# Altium PCB PCB_proto.PcbDoc
Units mil, origin at the board's own origin, x right, y up, seen from the top; angles counter-clockwise.
Board outline 5515 x 5495 mil, 2 copper layers (Top Layer, Bottom Layer); 42 components, 24 nets, 185 pads, 6 vias.
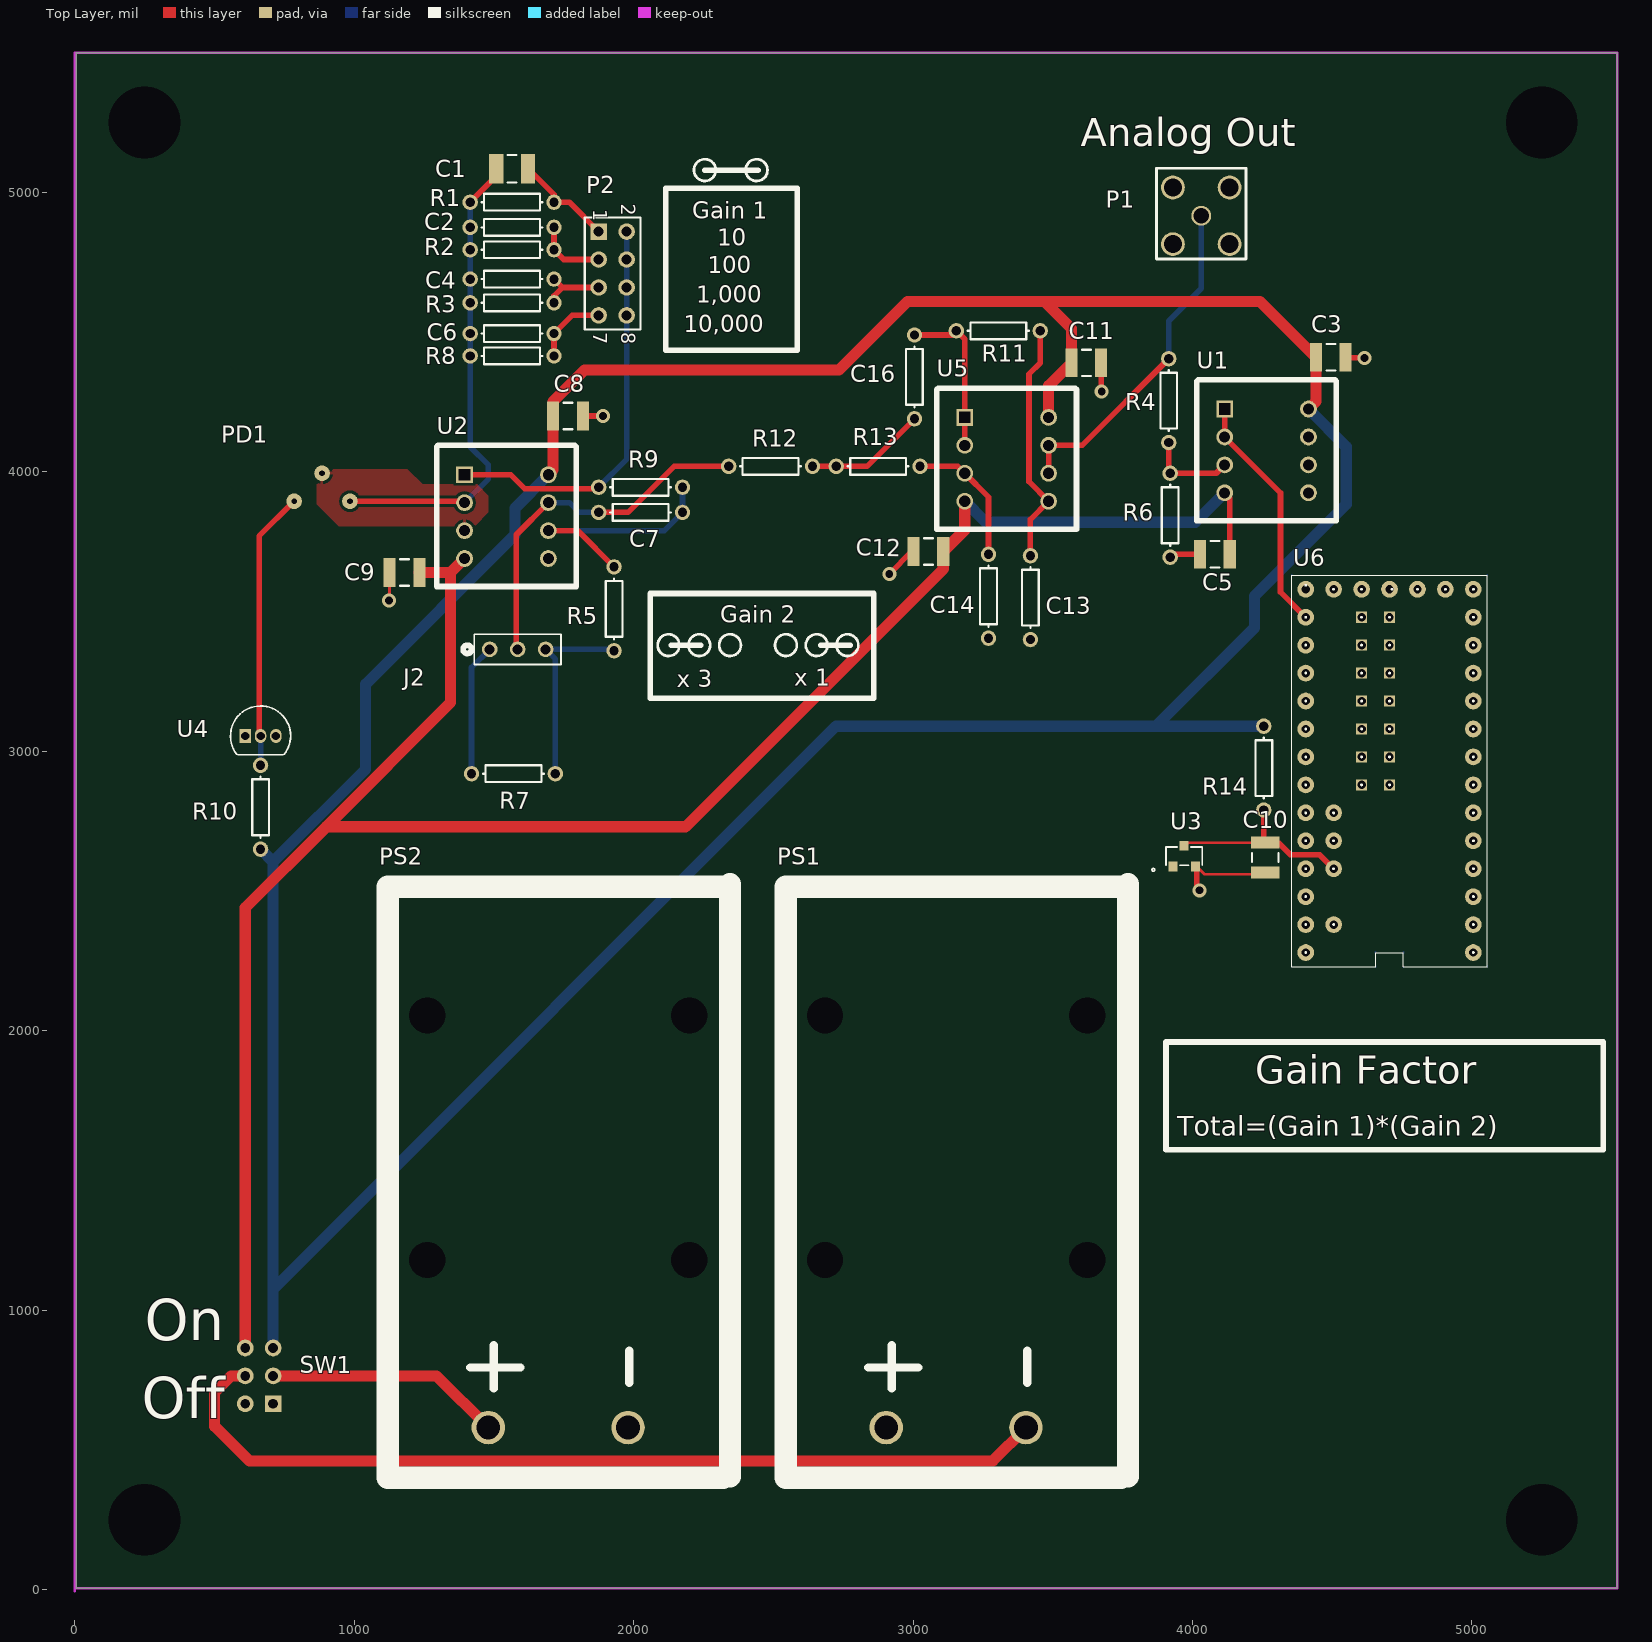
[diagram p0: Top Layer view]
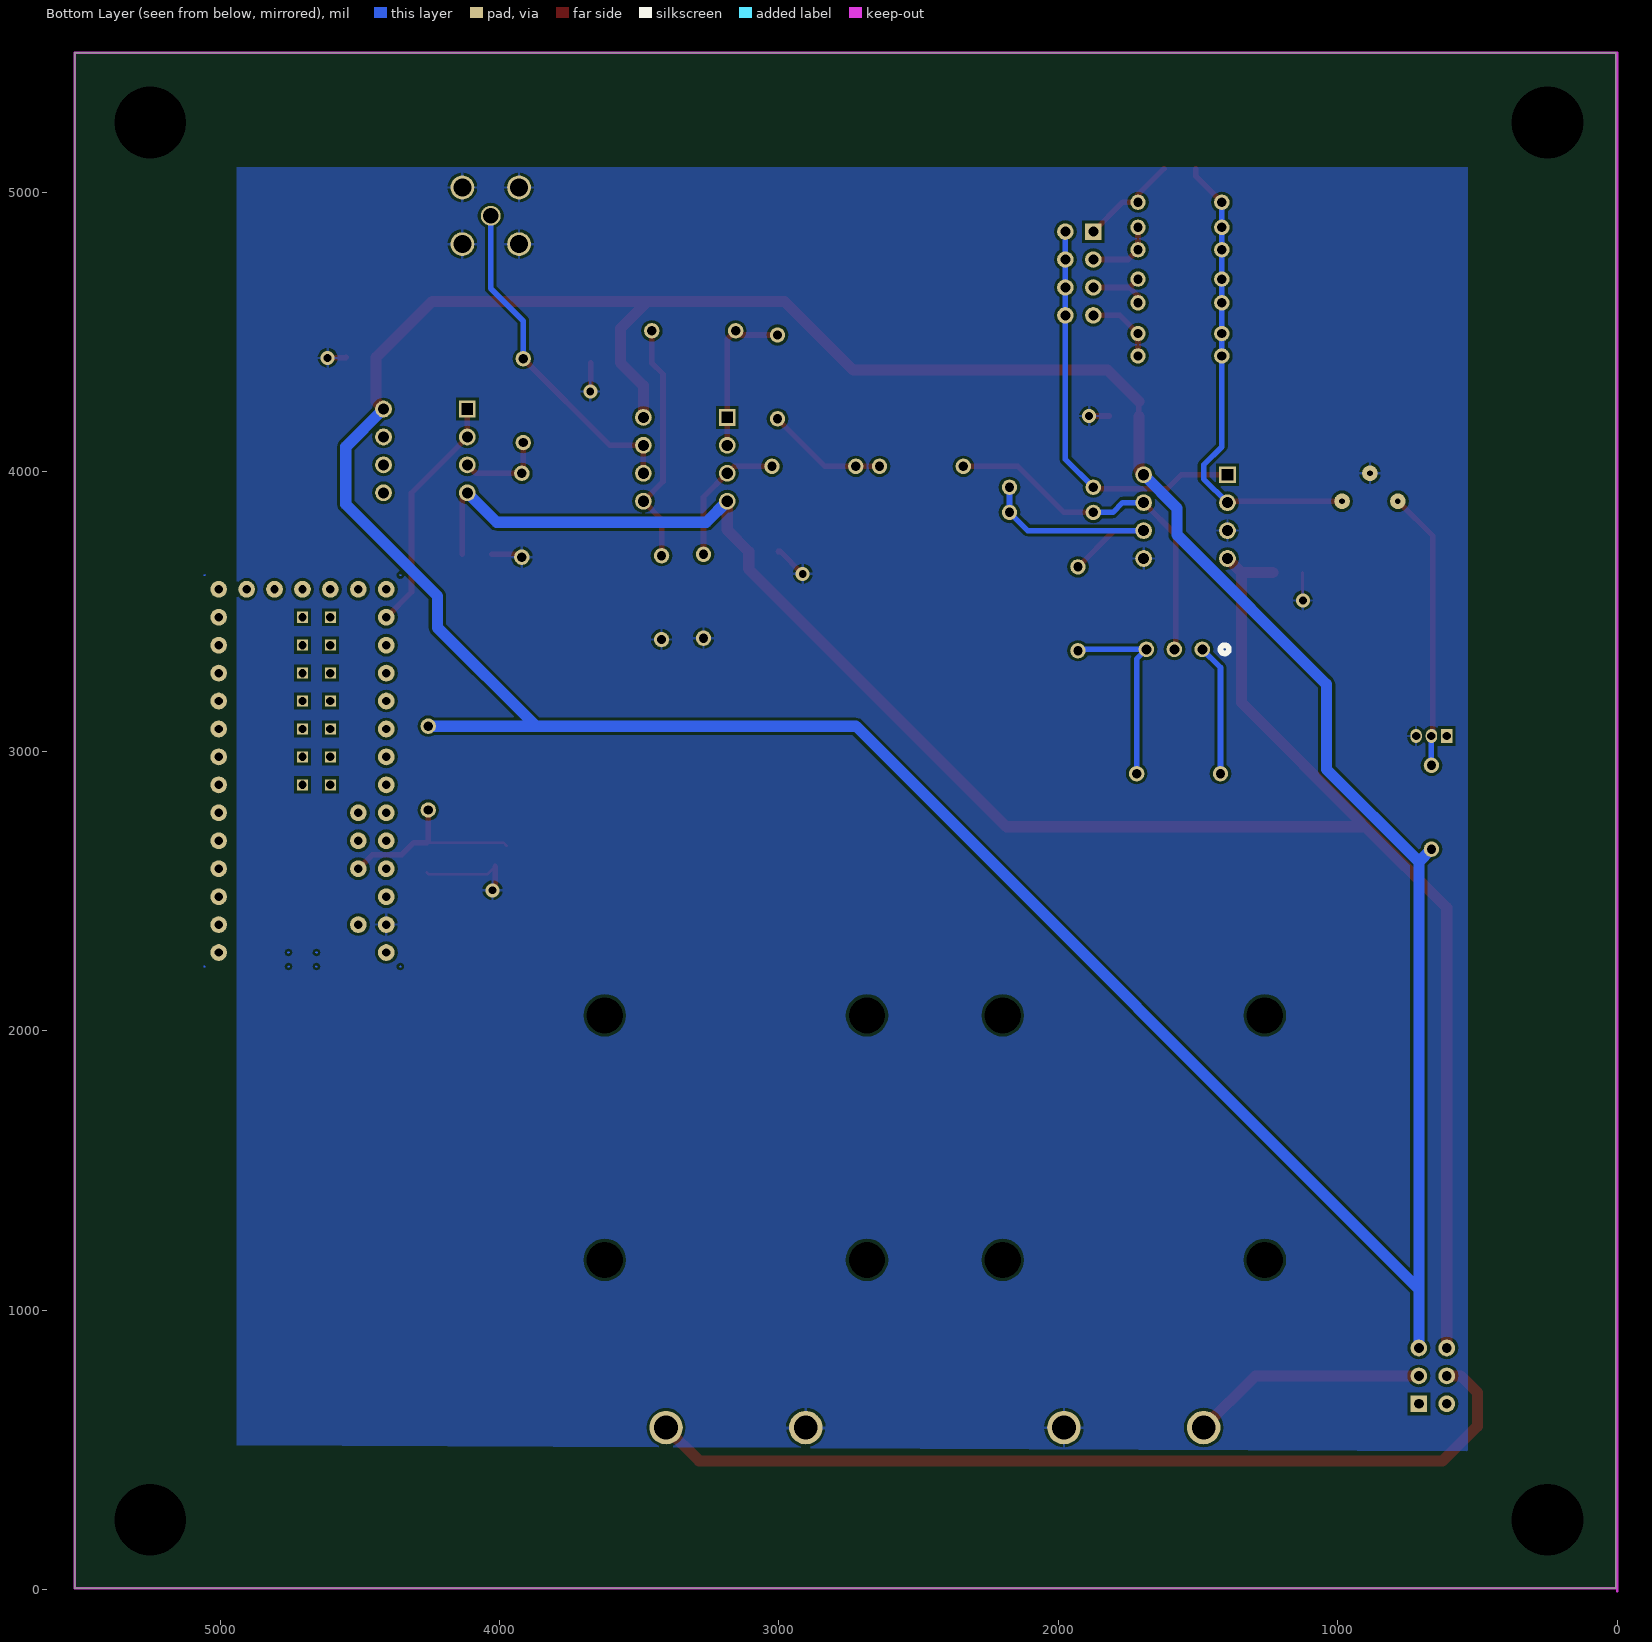
[diagram p1: Bottom Layer view, seen from below]

## Layer stack, top to bottom
Top Solder: solder mask 0.4, Solder Resist, Dk 3.5
Top Layer: signal copper 1.4
Dielectric 1: dielectric 12.6, FR-4, Dk 4.8
Bottom Layer: signal copper 1.4
Bottom Solder: solder mask 0.4, Solder Resist, Dk 3.5

## Board outline
5,5 5520,5 5520,5500 5,5500

## Design rules (kind name [scope] priority, off if disabled: settings)
Clearance [All] p1: gap=10 ignorepadtopadclearanceinfootprint=FALSE except(0: Arc-Hole Track-Hole SMDPad-Hole THPad-Hole Via-Hole Fill-Hole Poly-Hole Region-Hole Text-Hole)
PolygonConnect [All] p1: connectstyle=Relief reliefconductorwidth=10 reliefentries=4 polygonreliefangle="90 Angle" airgapwidth=10
RoutingVias [All] p1: holewidth=28 width=50 viastyle="Through Hole" minholewidth=28 minwidth=50 maxholewidth=28 maxwidth=50
SolderMaskExpansion [All] p1: expansion=4
Width [All] p1: maxlimit=40 minlimit=10 preferedwidth=20 minimp=50.000000 maximp=50.000000 favimp=50.000000
30 further rules are at their usual default settings.

## Classes and differential pairs
component class Schematic2: U6

## Components (designator, comment, footprint, x,y, rotation, side; value= is the part's Value field where it differs from the comment)
C1 "CC0402ZRY5V7BB104" C1210_N 1565,5085 r0 top value=Value
C2 "CC0402KRX7R9BB102" AXIAL-0.3 1565,4875 r0 top value=Value
C3 "C322C104M5U5TA7301" C1210_L 4495,4410 r0 top value=Value
C4 "CC0201JRNPO9BN100" AXIAL-0.3 1565,4690 r0 top value=Value
C5 "C322C104M5U5TA7301" C1210_L 4080,3705 r180 top value=Value
C6 "04025A5R0CAT2A" AXIAL-0.3 1565,4495 r0 top value=Value
C7 "CC0402CRNPO9BN2R2" AXIAL-0.3 2025,3855 r0 top value=Value
C8 "C322C104M5U5TA7301" C1210_L 1765,4200 r0 top value=Value
C9 "C322C104M5U5TA7301" C1210_L 1180,3640 r180 top value=Value
C10 "C322C104M5U5TA7301" C1210_L 4260,2620 r270 top value=Value
C11 "C322C104M5U5TA7301" C1210_L 3620,4390 r180 top value=Value
C12 "C322C104M5U5TA7301" C1210_L 3055,3715 r180 top value=Value
C13 "CC0402KRX7R9BB102" AXIAL-0.3 3420,3550 r270 top value=Value
C14 "CC0402ZRY5V7BB104" AXIAL-0.3 3270,3555 r270 top value=Value
C16 "CC0402KRX7R9BB102" AXIAL-0.3 3005,4340 r90 top value=Value
J2 "22-28-4033" 22-28-4033 1685,3365 r0 top value=Value
P1 "Signal" "SMA Out Connector" 4031.4,4916.4 r0 top
P2 "Header 4X2" HDR2X4 1875,4860 r270 top
PD1 "InGaAs-120L-FC" FCI-InGaAs-120L-FC 1200,4050 r180 top
PS1 "VCC - Battery" "9V Battery Clip" 3404,580 r90 top
PS2 "VCC+ Battery" "9V Battery Clip" 1980,580 r90 top
R1 "RC0603FR-0710RL" AXIAL-0.3 1565,4965 r180 top value=Value
R2 "RC0402FR-07100RL" AXIAL-0.3 1565,4795 r180 top value=Value
R3 "RC0402FR-071KL" AXIAL-0.3 1565,4605 r180 top value=Value
R4 "Part Number: RNCF0603BKE172K" AXIAL-0.3 3915,4255 r270 top value=Value
R5 "RC0402FR-071KL" AXIAL-0.3 1930,3510 r270 top value=Value
R6 "RC0402FR-07100KL" AXIAL-0.3 3920,3845 r270 top value=Value
R7 "RG2012N-202-W-T1" AXIAL-0.3 1570,2920 r0 top value=Value
R8 "RC0402FR-0710KL" AXIAL-0.3 1565,4415 r180 top value=Value
R9 "RC0402FR-071KL" AXIAL-0.3 2025,3945 r180 top value=Value
R10 "RC0402FR-07100KL" AXIAL-0.3 665,2800 r270 top value=Value
R11 "RC0402FR-071KL" AXIAL-0.3 3305,4505 r180 top value=Value
R12 "RT0603BRD071K4L" AXIAL-0.3 2490,4020 r180 top value=Value
R13 "RT0603BRD074K99L" AXIAL-0.3 2875,4020 r180 top value=Value
R14 "RC0402FR-07100KL" AXIAL-0.3 4255,2940 r90 top value=Value
SW1 "DPDT Switch" "DPDT Switch" 610,665 r0 top
U1 "OPA 2-192" "OPA 2-192" 4115,4225 r180 top value=Value
U2 "OPA 2-192" "OPA 2-192" 1395,3990 r180 top value=Value
U3 "Part Number: ZXRE330ASA-7" SOT-23 3970,2625 r0 top value=Value
U4 "Part Number: LM4040AIZ-5.0/NOPB" LM4040-N 715,3055 r0 top value=Value
U5 "OPA 2-192" "OPA 2-192" 3185,4195 r180 top value=Value
U6 "Teensy 3.2" "Teensy 3.2" 4655,3330 r180 top

## Footprints (in the part's own frame and the unit in brackets; to place one, negate y for a bottom-side part, rotate by r counter-clockwise, add the part's x,y. Pads: shape width x height; smd on the part's side, far side on the other; paste and mask are expansions set on the pad)
"9V Battery Clip" [mil]
  round 120 hole 85: 1(0,500) 2(0,0) 2(0,0)
  round 120 hole 130 unplated: ""(600,-219) ""(600,719) ""(1475,-219) ""(1475,719)
  silkscreen extent -180,-365 1945,860
22-28-4033 [mil]
  round 56 hole 36: 1(-200,0) 2(-100,0) 3(0,0)
  silkscreen extent -295,-54 55,54, body extent 0,0 10,10, height 10
AXIAL-0.3 [mm] "Axial Device, Thru-Hole; 2 Leads; 0.3 in Pin Spacing"
  round 1.4 hole 0.85: 1(-3.81,0) 2(3.81,0)
  silkscreen extent -2.77,-0.76 2.77,0.76
C1210_L [mm] "Chip Capacitor, Body 3.2x2.5mm, IPC High Density"
  rect 1.1x2.6 smd: 1(-1.35,0) 2(1.35,0)
  silkscreen extent -0.4,-1.2 0.4,1.2, body extent -1.7,-1.35 1.7,1.35, height 1.5
C1210_N [mm] "Chip Capacitor, Body 3.2x2.5mm, IPC Medium Density"
  rect 1.3x2.7 smd: 1(-1.45,0) 2(1.45,0)
  silkscreen extent -0.4,-1.25 0.4,1.25, body extent -1.7,-1.35 1.7,1.35, height 1.5
"DPDT Switch" [mil]
  rect 60x60 hole 35: 1(100,0)
  round 60 hole 35: 2(100,100) 3(100,200) 4(0,0) 5(0,100) 6(0,200)
FCI-InGaAs-120L-FC [mil]
  round 56 hole 20: 1(415,155) 2(315,55) 3(215,155)
HDR2X4 [mm] "Connector; Header; 4x2 Position"
  rect 1.5x1.5 hole 0.9: 1(0,0)
  round 1.5 hole 0.9: 2(0,2.54) 3(2.54,0) 4(2.54,2.54) 5(5.08,0) 6(5.08,2.54) 7(7.62,0) 8(7.62,2.54)
  silkscreen extent -1.27,-1.27 8.89,3.81
LM4040-N [mil]
  rect 41x50 hole 30: 1(-105,0)
  oval 41x50 hole 30: 2(-50,0) 3(5,0)
  silkscreen extent -157,-68 58,107, body extent 0,0 10,10, height 10
"OPA 2-192" [mil]
  rect 60x60 hole 40 square: 1(0,0)
  round 60 hole 40: 2(0,100) 3(0,200) 4(0,300) 5(-300,300) 6(-300,200) 7(-300,100) 8(-300,0)
  round 60 on Top Overlay: ""(60,-65)
  silkscreen extent -400,-105 100,400
"SMA Out Connector" [mil]
  round 71 hole 56: 1(0,0)
  round 85 hole 65: 2(101.4,101.4) 3(101.4,-101.4) 4(-101.4,-101.4) 5(-101.4,101.4)
  silkscreen extent -160,-155 160,190
SOT-23 [mil]
  rect 32x35 smd paste+0 mask+0: 1(-40.35,-37.2) 2(40.35,-37.2) 3(0,37.2)
  silkscreen extent -115,-54 65,33, body extent 0,0 10,10, height 10
"Teensy 3.2" [mil]
  round 60 hole 30: 0(-350,950) 1(-350,850) 2(-350,750) 3(-350,650) 3.3(-150,-250) 3.3(250,850) 4(-350,550) 5(-350,450) 6(-350,350) 7(-350,250) 8(-350,150) 9(-350,50) 10(-350,-50) 11(-350,-150) 12(-350,-250) 13(250,-250) 14(250,-150) 15(250,-50) 16(250,50) 17(250,150) 18(250,250) 19(250,350) 20(250,450) 21(250,550) 22(250,650) 23(250,750) A10(150,650) A11(150,550) A14(150,-250) AGND(250,950) AREF(150,750) GND(-350,1050) GND(-50,-250) PGM(50,-250) VBAT(-250,-250) VIN(250,1050) VUSB(150,950)
  rect 40x40 hole 30: 3.3(50,350) 24(-50,250) 25(-50,150) 26(-50,50) 27(-50,-50) 28(-50,-150) 29(50,-150) 30(50,-50) 31(50,50) 32(50,150) 33(50,250) A12(-50,450) A13(50,450) GND(-50,350)
  Bottom Layer lines w2: 302,1100 ccw(c300,1100) 298,1100 ; 302,-300 cw(c300,-300) 298,-300 ; 300,1102 cw(c300,1100) 300,1098 ; 300,-298 cw(c300,-300) 300,-302 ; 2,1100 ccw(c0,1100) -2,1100 ; 2,1050 cw(c0,1050) -2,1050 ; 0,1102 ccw(c0,1100) 0,1098 ; 0,1052 cw(c0,1050) 0,1048 ; -98,1100 ccw(c-100,1100) -102,1100 ; -98,1050 cw(c-100,1050) -102,1050 ; -100,1102 cw(c-100,1100) -100,1098 ; -100,1052 ccw(c-100,1050) -100,1048 ; -398,1100 ccw(c-400,1100) -402,1100 ; -398,-300 cw(c-400,-300) -402,-300 ; -400,1102 ccw(c-400,1100) -400,1098 ; -400,-298 ccw(c-400,-300) -400,-302
  silkscreen extent -400,-300 300,1100, body extent -400,-300 304,1157, height 173

## Part data
C1: library part CC0402ZRY5V7BB10, "0.1uF", Built_By=EMA_UL_Team, Copyright="Copyright (C) 2018 Accelerated Designs. All rights reserved", Manufacturer_Part_Number=CC0402ZRY5V7BB104, RefDes=RefDes, Type=DEV, Vendor=Yageo
C2 C13 C16: library part CC0402KRX7R9BB10, "1nF", Built_By=EMA_UL_Team, Copyright="Copyright (C) 2018 Accelerated Designs. All rights reserved", Manufacturer_Part_Number=CC0402KRX7R9BB102, RefDes=RefDes, Type=DEV, Vendor=Yageo
C3 C8 C9 C10 C11 C12: library part C322C104M5U5TA73, "0.1 uF 1210", Built_By=EMA_UL_Team, Copyright="Copyright (C) 2018 Accelerated Designs. All rights reserved", Manufacturer_Part_Number=C322C104M5U5TA7301, RefDes=RefDes, Type=DEV, Vendor=Kemet
C4: library part CC0201JRNPO9BN10, "10pF", Built_By=EMA_UL_Team, Copyright="Copyright (C) 2018 Accelerated Designs. All rights reserved", Manufacturer_Part_Number=CC0201JRNPO9BN100, RefDes=RefDes, Type=DEV, Vendor=Yageo
C5: library part C322C104M5U5TA73, "0.1 uF", Built_By=EMA_UL_Team, Copyright="Copyright (C) 2018 Accelerated Designs. All rights reserved", Manufacturer_Part_Number=C322C104M5U5TA7301, RefDes=RefDes, Type=DEV, Vendor=Kemet
C6: "5pF", Built_By=EMA_UL_Team, Copyright="Copyright (C) 2016 Accelerated Designs. All rights reserved", Manufacturer_Part_Number=04025A5R0CAT2A, RefDes=RefDes, Type=DEV, Vendor="AVX Corporation"
C7: "2.2pF", Built_By=EMA_UL_Team, Copyright="Copyright (C) 2018 Accelerated Designs. All rights reserved", Manufacturer_Part_Number=CC0402CRNPO9BN2R2, RefDes=RefDes, Type=DEV, Vendor=Yageo
C14: library part CC0402ZRY5V7BB10, "100pF", Built_By=EMA_UL_Team, Copyright="Copyright (C) 2018 Accelerated Designs. All rights reserved", Manufacturer_Part_Number=CC0402ZRY5V7BB104, RefDes=RefDes, Type=DEV, Vendor=Yageo
J2: "header", Built_By=EMA_UL_Team, Copyright="Copyright (C) 2018 Accelerated Designs. All rights reserved", Manufacturer_Part_Number=22-28-4033, RefDes=RefDes, Type=DEV, Vendor="Molex Connector Corporation"
P1: library part "SMA Out Connector", "931-1360-ND digikey p/n     PCB.RPSMAFRA.HT   Mfn.PN"
P2: "Header, 4-Pin, Dual row", LatestRevisionDate=17-Jul-2002, LatestRevisionNote="Re-released for DXP Platform.", Publisher="Altium Limited"
R1: "10", Built_By=EMA_UL_Team, Copyright="Copyright (C) 2018 Accelerated Designs. All rights reserved", Manufacturer_Part_Number=RC0603FR-0710RL, RefDes=RefDes, Type=DEV, Vendor=Yageo
R2: "100", Built_By=EMA_UL_Team, Copyright="Copyright (C) 2018 Accelerated Designs. All rights reserved", Manufacturer_Part_Number=RC0402FR-07100RL, RefDes=RefDes, Type=DEV, Vendor=Yageo
R3 R5 R9 R11: "1k", Built_By=EMA_UL_Team, Copyright="Copyright (C) 2018 Accelerated Designs. All rights reserved", Manufacturer_Part_Number=RC0402FR-071KL, RefDes=RefDes, Type=DEV, Vendor=Yageo
R4: library part RNCF0603BKE172K, "172k", Built_By=EMA_UL_Team, Copyright="Copyright (C) 2018 Accelerated Designs. All rights reserved", Manufacturer_Part_Number=RNCF0603BKE172K, RefDes=RefDes, Type=DEV, Vendor="Stackpole International"
R6: library part RC0402FR-07100KL_1, "100k", Built_By=EMA_UL_Team, Copyright="Copyright (C) 2018 Accelerated Designs. All rights reserved", Manufacturer_Part_Number=RC0402FR-07100KL, RefDes=RefDes, Type=DEV, Vendor=Yageo
R7: "2k", Built_By=EMA_UL_Team, Copyright="Copyright (C) 2018 Accelerated Designs. All rights reserved", Manufacturer_Part_Number=RG2012N-202-W-T1, RefDes=RefDes, Type=DEV, Vendor=Susumu
R8: "10k", Built_By=EMA_UL_Team, Copyright="Copyright (C) 2018 Accelerated Designs. All rights reserved", Manufacturer_Part_Number=RC0402FR-0710KL, RefDes=RefDes, Type=DEV, Vendor=Yageo
R10 R14: library part RC0402FR-07100KL_1, "1M 10% or whatever is available", Built_By=EMA_UL_Team, Copyright="Copyright (C) 2018 Accelerated Designs. All rights reserved", Manufacturer_Part_Number=RC0402FR-07100KL, RefDes=RefDes, Type=DEV, Vendor=Yageo
R12: "1.5k", Built_By=EMA_UL_Team, Copyright="Copyright (C) 2018 Accelerated Designs. All rights reserved", Manufacturer_Part_Number=RT0603BRD071K4L, RefDes=RefDes, Type=DEV, Vendor=Yageo
R13: "4.99k", Built_By=EMA_UL_Team, Copyright="Copyright (C) 2018 Accelerated Designs. All rights reserved", Manufacturer_Part_Number=RT0603BRD074K99L, RefDes=RefDes, Type=DEV, Vendor=Yageo
U1 U2 U5: "No Description Available", Manufacturer="Texas Instruments", PartNumber=OPA192QDGKRQ1, Copyright="Copyright (C) 2018 Accelerated Designs. All rights reserved", RefDes=RefDes, Type=DEV
U3: library part ZXRE330ASA-7, "No Description Available", Built_By=EMA_UL_Team, Copyright="Copyright (C) 2018 Accelerated Designs. All rights reserved", Manufacturer_Part_Number=ZXRE330ASA-7, RefDes=RefDes, Type=DEV, Vendor="Diodes Inc"
U4: library part LM4040AIZ-5.0/NO, "No Description Available", Manufacturer_Part_Number=LM4040AIZ-5.0/NOPB, Built_By=EMA_UL_Team, Copyright="Copyright (C) 2018 Accelerated Designs. All rights reserved", RefDes=RefDes, Type=DEV, Vendor="Texas Instruments"

## Free pads (board coordinates)
  round 60 hole 257 unplated: 2(250,250) 2(250,5250) 2(5250,250) 2(5250,5250)

## Via types
v1: diameter 50, hole 28, Top Layer to Bottom Layer, 6 vias

## Nets (pads, with @x,y where several pads share a name; then routed paths per layer and width w, separated by ;. In a path a pad name is that pad's centre, name@x,y a point inside that pad or via, vN(x,y) a via of type N, cw(c..) or ccw(c..) an arc to the next point about the centre after c; other vN are vias at no path point)
-VCC: C5.1 C9.1 C12.1 SW1.6 U1.4 U2.4 U5.4 | length 7358.3
  Top Layer w20: U1.4 4133.15,3906.85 C5.1
  Top Layer w40: SW1.6 610,2440 900,2730 ; C9.1 1345,3640 ; U2.4 1345,3640 ; U5.4 3185,3791.85 C12.1 3108.15,3653.15 2185,2730 900,2730 ; 900,2730 1345,3175 1345,3640
  Bottom Layer w40: U5.4 3260,3820 4010,3820 U1.4
GND: C3.2 C5.2 C8.2 C9.2 C10.2 C11.1 C12.2 C13.2 C14.2 P1.2 P1.3 P1.4 P1.5 PD1.2 PS1.1 PS2.2 R6.2 U2.3 U2.5 U3.2 U4.3 U6.AGND | length 922.3
  Top Layer w10: v1(1125,3540) 1126.85,3541.85 C9.2 ; U3.2@4015.35,2587.8 4043.15,2560 4253.15,2560 C10.2
  Top Layer w20: C8.2 v1(1890,4200) ; v1(2915,3635) 2995,3715 C12.2 ; C11.1 3673.15,4289.65 v1(3675,4287.8) ; R6.2 3930,3705 C5.2 ; U3.2@4015.35,2587.8 4015.35,2512.45 v1(4025,2502.8) ; C3.2 4550.35,4407.8 v1(4615,4407.8)
In_Filter: C7.1 J2.2 R12.2 U2.7 | length 1302.5
  Top Layer w20: J2.2 1580,3370 1580,3775 U2.7 ; C7.1 1980,3855 2145,4020 R12.2
  Bottom Layer w20: U2.7 1770,3890 1805,3855 C7.1
NetC1_1: C1.1 C2.1 C4.1 C6.1 PD1.3 R1.2 R2.2 R3.2 R8.2 U2.2 | length 1707.7
  Top Layer w10: U2.2@1390,3895 U2.2
  Top Layer w20: PD1.3 U2.2@1390,3895 ; R1.2 1507.91,5057.91 C1.1
  Bottom Layer w20: U2.2 1480,3975 1480,4025 1415,4090 R8.2 C6.1 R3.2 C4.1 R2.2 C2.1 R1.2
NetC1_2: C1.2 P2.1 R1.1 | length 362
  Top Layer w20: C1.2 1715,4992.09 R1.1 1770,4965 P2.1
NetC2_2: C2.2 P2.3 R2.1 | length 254.5
  Top Layer w20: C2.2 R2.1 1750,4760 P2.3
NetC4_2: C4.2 P2.5 R3.1 | length 239.9
  Top Layer w20: R3.1 1715,4630 1745,4660 ; C4.2 1745,4660 ; P2.5 1745,4660
NetC6_2: C6.2 P2.7 R8.1 | length 266.9
  Top Layer w20: R8.1 C6.2 1780,4560 P2.7
NetC7_2: C7.2 R5.1 R9.1 U2.6 | length 892.8
  Top Layer w20: U2.6@1700,3785 U2.6 1800,3790 R5.1
  Bottom Layer w20: U2.6 2110,3790 C7.2 R9.1
NetC10_1: C10.1 R14.1 U3.3 U6.AREF | length 692
  Top Layer w10: U3.3@3975,2662.2 3985.94,2673.15 C10.1
  Top Layer w20: R14.1 4255,2678.15 C10.1 4306.85,2673.15 4350,2630 4455,2630 U6.AREF
NetC13_1: C13.1 R11.1 U5.5 | length 877.5
  Top Layer w20: C13.1 3420,3830 U5.5 3415,3965 3415,4350 3455,4390 R11.1
NetC14_1: C14.1 R13.1 U5.3 | length 495.6
  Top Layer w20: R13.1 3160,4020 U5.3 3270,3910 C14.1
NetC16_1: C16.1 R12.1 R13.2 | length 435.4
  Top Layer w20: R12.1 R13.2 2835,4020 C16.1
NetC16_2: C16.2 R11.2 U5.1 U5.2 | length 578.6
  Top Layer w20: C16.2 3140,4490 R11.2 3185,4475 U5.1 U5.2
NetJ2_1: J2.1 R7.1 | length 471.9
  Bottom Layer w20: R7.1 1420,3300 J2.1
NetJ2_3: J2.3 R5.2 R7.2 | length 706.6
  Bottom Layer w20: R7.2 1720,3330 J2.3 1925,3365 R5.2
NetP2_2: P2.2 P2.4 P2.6 P2.8 R9.2 U2.1 | length 1459.2
  Top Layer w20: U2.1 1560,3990 1610,3940 1870,3940 R9.2
  Bottom Layer w20: R9.2 1975,4045 P2.8 P2.6 P2.4 P2.2
NetPS1_2: PS1.2 SW1.5 | length 3260.9
  Top Layer w10: PS1.2@3404,579 PS1.2@3404,580
  Top Layer w40: SW1.5 560,765 500,705 500,585 625,460 3285,460 PS1.2@3404,579
NetPS2_1: PS2.1 SW1.2 | length 846.6
  Top Layer w40: SW1.2 935,765 1295,765 PS2.1
NetR4_2: R4.2 R6.1 U1.3 | length 319.5
  Top Layer w20: R4.2 3915,4000 R6.1 4085,3995 U1.3
NetU1_1: U1.1 U1.2 U6.14 | length 865.1
  Top Layer w20: U1.1 U1.2 4315,3925 4315,3570 U6.14
OUT_FILTER: P1.1 R4.1 U5.6 U5.7 | length 1218
  Top Layer w20: U5.6 U5.7 3605,4095 R4.1
  Bottom Layer w20: R4.1 3915,4540 4031.4,4656.4 P1.1
VCC: C3.1 C8.1 C11.2 R10.2 R14.2 SW1.3 U1.8 U2.8 U5.8 | length 13364
  Top Layer w10: U2.8 U2.8@1711.85,4006.85
  Top Layer w20: C8.1 1711.85,4251.85
  Top Layer w40: U2.8@1711.85,4006.85 C8.1 ; 1711.85,4251.85 1825,4365 2735,4365 2980,4610 3470,4610 ; U5.8 3485,4308.15 C11.2 3566.85,4513.15 3470,4610 ; U1.8 4441.85,4251.85 C3.1 4241.85,4610 3470,4610
  Bottom Layer w40: R10.2 710,2605 ; SW1.3 710,1075 ; U2.8 1575,3870 1575,3775 1040,3240 1040,2935 710,2605 ; R14.2 3870,3090 ; U1.8 4550,4090 4550,3883.97 4222.19,3556.16 4222.19,3442.19 3870,3090 ; 710,1075 2725,3090 3870,3090 ; 710,1075 710,2605
Vref_5V: PD1.1 R10.1 U4.2 | length 998.8
  Top Layer w20: U4.2@660,3070 660,3770 PD1.1
  Bottom Layer w20: U4.2@660,3070 665,3065 R10.1
pads on no net: PS1. PS2. SW1.1 SW1.4 U1. U1.5 U1.6 U1.7 U2. U3.1 U4.1 U5. U6.0 U6.1 U6.2 U6.3 U6.3.3 U6.4 U6.5 U6.6 U6.7 U6.8 U6.9 U6.10 U6.11 U6.12 U6.13 U6.15 U6.16 U6.17 U6.18 U6.19 U6.20 U6.21 U6.22 U6.23 U6.24 U6.25 U6.26 U6.27 U6.28 U6.29 U6.30 U6.31 U6.32 U6.33 U6.A10 U6.A11 U6.A12 U6.A13 U6.A14 U6.GND U6.PGM U6.VBAT U6.VIN U6.VUSB

## Polygon pours and split planes (outlines as drawn)
GND on Top Layer (solid, pour order 4): 865.59,4010 1190.59,4010 1245.59,3955 1440.59,3955 1480.59,3915 1480.59,3855 1430.59,3805 945.59,3805 865.59,3885
GND on Bottom Layer (solid, pour order 0): 535,494.94 535,5090 4940,5090 4940,517.48

## Keep-outs
Keep-Out Layer:
  lines w10: 0,-5 0,5500 5520,5500 5520,5 0,5

## Silkscreen, mask and mechanical layers (free items; w line width, h text height)
Top Overlay:
  circle w10: c2345,3380 r39.05
  circle w10: c2655,3380 r39.05
  circle w10: c2545,3380 r39.05
  circle w10: c2765,3380 r39.05
  circle w10: c2125,3380 r39.05
  circle w10: c2235,3380 r39.05
  circle w10: c2440,5080 r39.05
  circle w10: c2255,5080 r39.05
  lines w20: 2135,3380 2240,3380 ; 2255,5080 2445,5080 ; 2670,3380 2775,3380 ; 2060,3190 2060,3565 2860,3565 2860,3190 2060,3190 ; 2115,4435 2585,4435 2585,5015 2115,5015 2115,4985 2115,4435 ; 3905,1575 3905,1960 5470,1960 5470,1575 3905,1575
  text "Analog Out" at 3600,5165 h100
  text "Gain 1" at 2210,4905 h60
  text "10" at 2300,4810 h60
  text "100" at 2265,4710 h60
  text "1,000" at 2225,4605 h60
  text "10,000" at 2180,4500 h60
  text "Gain 2" at 2310,3460 h60
  text "x 1" at 2575,3235 h60
  text "x 3" at 2155,3230 h60
  text "Gain Factor" at 4225,1810 h100
  text "Total=(Gain 1)*(Gain 2)" at 3945,1625 h70
  text "On" at 250,845 h250
  text "Off" at 240,565 h250

## Text inside footprints (layer, text, board x,y; h text height)
P2: Top Overlay "2" at 1955,4960 h50 r270; Top Overlay "1" at 1855,4940 h50 r270; Top Overlay "7" at 1855,4500 h50 r270; Top Overlay "8" at 1955,4500 h50 r270